# Allegro board HB1A-AAFM.brd (continued)
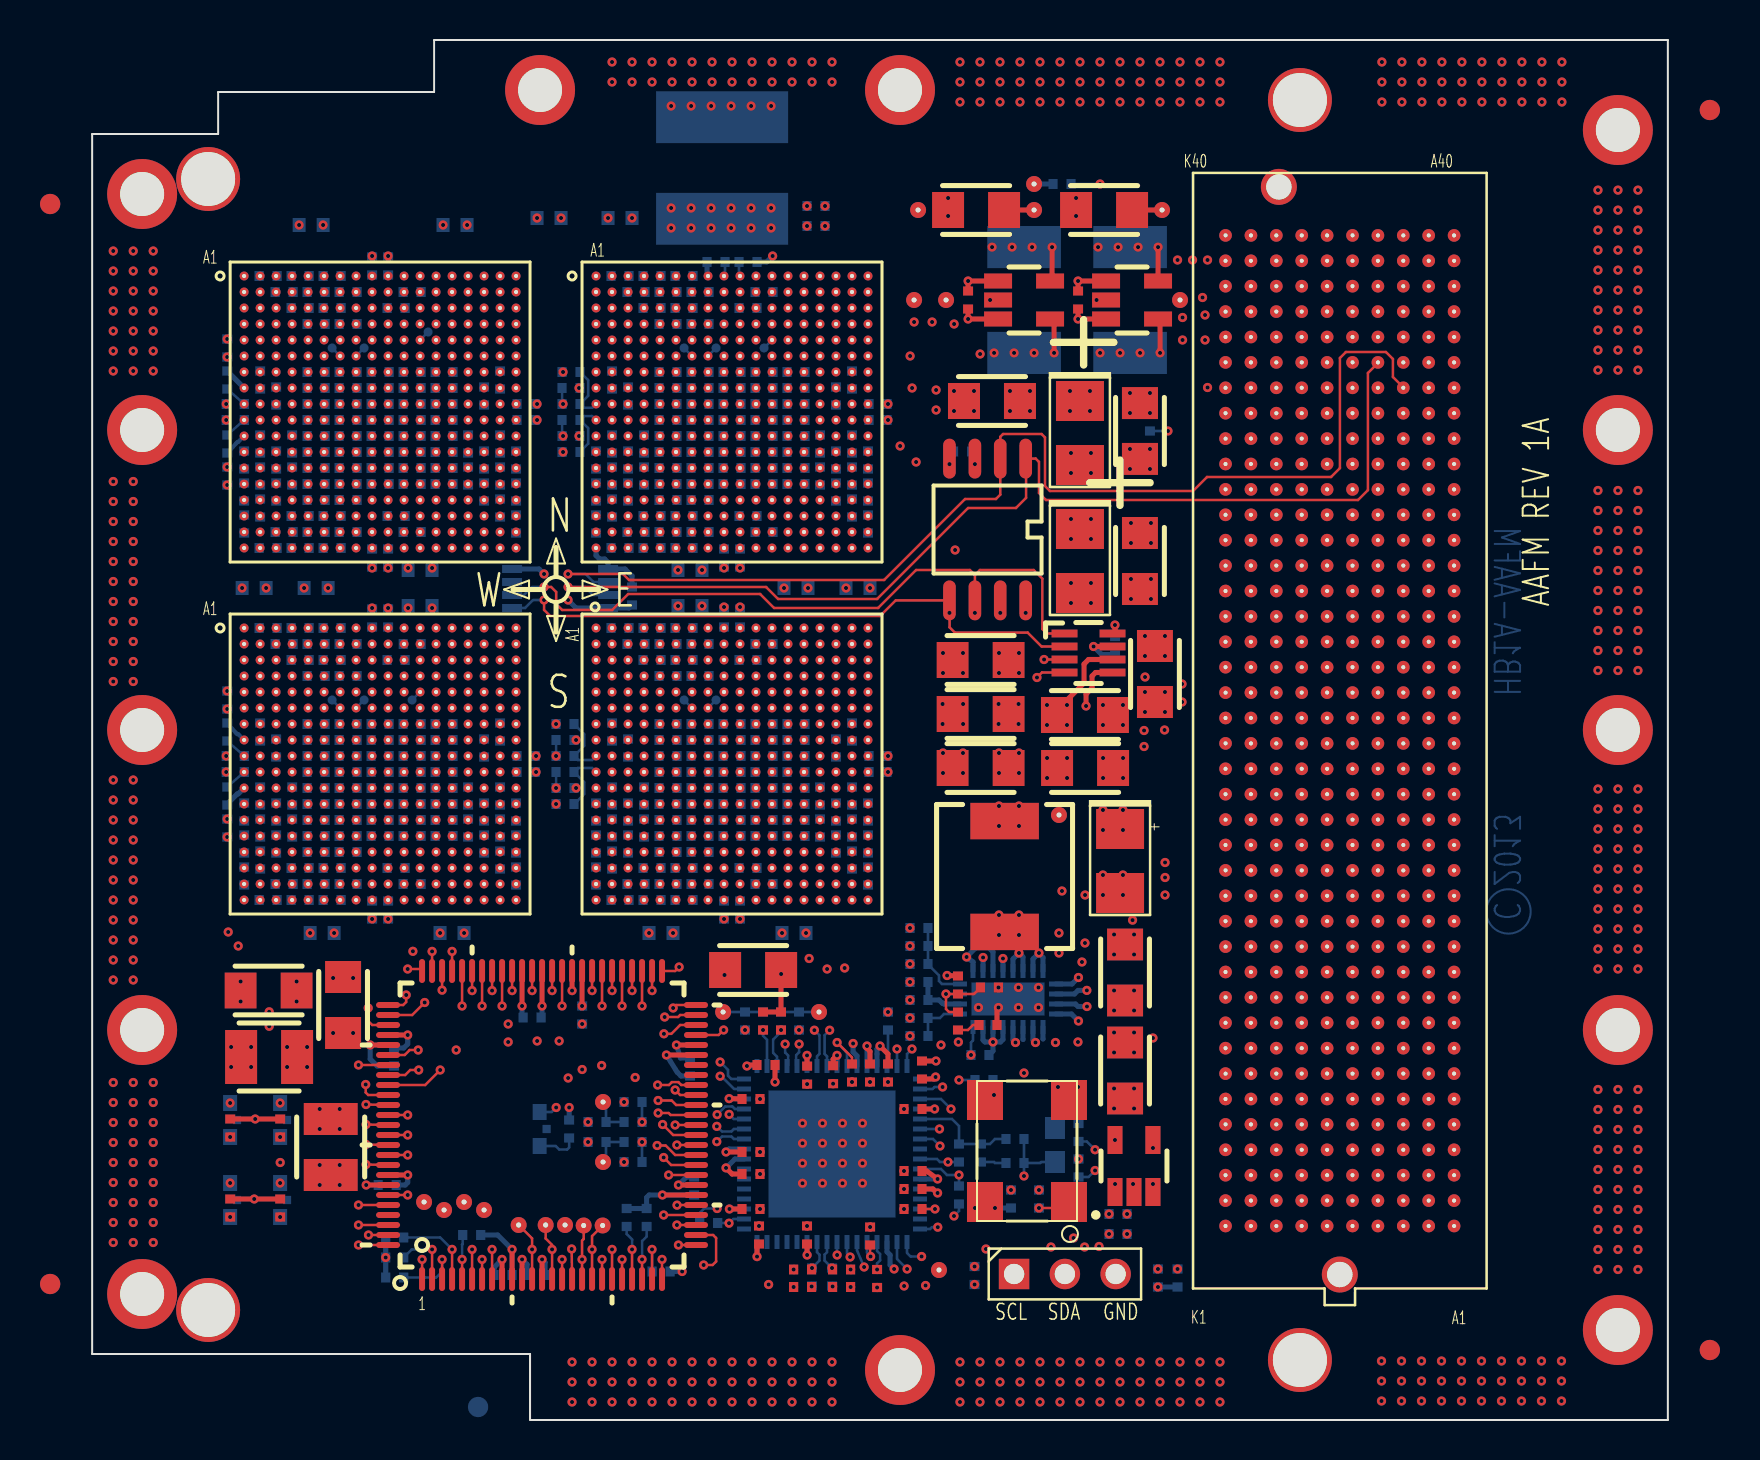
[diagram p0: board, top side]
## Routing (per net, layer and track width the routed paths; a pad name or vN(x,y) marks a point on that pad's centre or on a via; arc(x,y) is an arc through that point) (continued)
66.45,36.76 ; U3.L14 18.32,49.52 ; U3.L14 17.67,49.52 ; U3.L14 18.32,48.88 ; U3.L14 17.67,48.88 ; U3.L6 11.92,48.88 ; U3.L6 11.27,48.88 ; U3.L6 11.27,49.52 ; U3.L6 11.92,49.52 ; 58.83,24.06 P1.H12 ; P1.H12 58.83,23.28 ; P1.H12 59.61,24.06 ; P1.H12 59.61,23.28 ; P1.K2 57.07,11.36 ; P1.K2 56.29,11.36 ; P1.K2 57.07,10.58 ; P1.K2 56.29,10.58 ; 13.67,29.52 U7.P9 ; U7.P9 14.32,28.88 ; U7.P9 13.67,28.88 ; U7.P9 14.32,29.52 ; 34.47,46.48 U4.P13 ; U4.P13 35.12,47.12 ; U4.P13 34.47,47.12 ; U4.P13 35.12,46.48 ; P1.G23 60.88,37.25 ; P1.G23 60.1,38.03 ; P1.G23 60.1,37.25 ; P1.G23 60.88,38.03 ; U4.G14 35.92,52.08 ; U4.G14 35.92,52.73 ; U4.G14 35.27,52.08 ; U4.G14 35.27,52.73 ; P1.C29 65.96,44.87 ; P1.C29 65.96,45.65 ; P1.C29 65.18,45.65 ; P1.C29 65.18,44.87 ; 58.83,30.9 P1.H18 ; P1.H18 58.83,31.68 ; P1.H18 59.61,30.9 ; P1.H18 59.61,31.68 ; P1.B35 67.23,52.49 ; P1.B35 66.45,52.49 ; P1.B35 67.23,53.27 ; P1.B35 66.45,53.27 ; U4.V8 31.12,43.92 ; U4.V8 31.12,43.27 ; U4.V8 30.47,43.27 ; U4.V8 30.47,43.92 ; U7.F14 18.32,35.27 ; U7.F14 17.67,35.92 ; U7.F14 17.67,35.27 ; U7.F14 18.32,35.92 ; 31.27,33.67 U8.H9 ; U8.H9 31.92,33.67 ; U8.H9 31.92,34.33 ; U8.H9 31.27,34.33 ; P1.G8 60.88,18.98 ; P1.G8 60.1,18.2 ; P1.G8 60.1,18.98 ; P1.G8 60.88,18.2 ; P1.C25 65.96,39.79 ; P1.C25 65.96,40.57 ; P1.C25 65.18,40.57 ; P1.C25 65.18,39.79 ; U8.L10 32.72,31.27 ; U8.L10 32.08,31.93 ; U8.L10 32.72,31.93 ; U8.L10 32.08,31.27 ; 61.37,58.35 P1.F39 ; P1.F39 62.15,57.57 ; P1.F39 62.15,58.35 ; P1.F39 61.37,57.57 ; U8.J8 31.12,32.88 ; U8.J8 31.12,33.52 ; U8.J8 30.47,32.88 ; U8.J8 30.47,33.52 ; P1.C17 65.96,29.63 ; P1.C17 65.18,29.63 ; P1.C17 65.96,30.41 ; P1.C17 65.18,30.41 ; U8.B2 26.32,39.12 ; U8.B2 26.32,38.48 ; U8.B2 25.67,38.48 ; U8.B2 25.67,39.12 ; U3.A1 7.92,56.88 ; U3.A1 7.27,56.88 ; U3.A1 7.27,57.52 ; U3.A1 7.92,57.52 ; U4.N6 29.52,47.27 ; U4.N6 29.52,47.92 ; U4.N6 28.88,47.27 ; U4.N6 28.88,47.92 ; 10.48,34.33 U7.H5 ; U7.H5 11.12,33.67 ; U7.H5 11.12,34.33 ; U7.H5 10.48,33.67 ; 12.07,51.27 U3.H7 ; U3.H7 12.07,51.92 ; U3.H7 12.73,51.27 ; U3.H7 12.73,51.92 ; P1.E1 63.42,10.09 ; P1.E1 62.64,10.09 ; P1.E1 63.42,9.31 ; P1.E1 62.64,9.31 ; 10.48,48.08 U3.M5 ; U3.M5 10.48,48.73 ; U3.M5 11.12,48.73 ; U3.M5 11.12,48.08 ; P1.G5 60.88,14.39 ; P1.G5 60.1,15.17 ; P1.G5 60.88,15.17 ; P1.G5 60.1,14.39 ; 38.47,31.27 U8.L18 ; U8.L18 39.12,31.27 ; U8.L18 38.47,31.93 ; U8.L18 39.12,31.93 ; P1.F21 62.15,35.49 ; P1.F21 61.37,34.71 ; P1.F21 61.37,35.49 ; P1.F21 62.15,34.71 ; 24.88,56.88 U4.A1 ; U4.A1 25.52,57.52 ; U4.A1 25.52,56.88 ; U4.A1 24.88,57.52 ; U7.J10 15.12,32.88 ; U7.J10 14.48,33.52 ; U7.J10 14.48,32.88 ; U7.J10 15.12,33.52 ; U7.E14 18.32,36.73 ; U7.E14 17.67,36.08 ; U7.E14 17.67,36.73 ; U7.E14 18.32,36.08 ; U3.P13 17.52,47.12 ; U3.P13 17.52,46.48 ; U3.P13 16.88,46.48 ; U3.P13 16.88,47.12 ; P1.B31 67.23,47.41 ; P1.B31 66.45,48.19 ; P1.B31 66.45,47.41 ; P1.B31 67.23,48.19 ; 20.88,48.88 U3.L18 ; U3.L18 21.52,48.88 ; U3.L18 20.88,49.52 ; U3.L18 21.52,49.52 ; 57.56,52.49 P1.J35 ; P1.J35 57.56,53.27 ; P1.J35 58.34,52.49 ; P1.J35 58.34,53.27 ; U8.G14 35.92,34.48 ; U8.G14 35.27,34.48 ; U8.G14 35.27,35.12 ; U8.G14 35.92,35.12 ; 32.08,50.48 U4.J10 ; U4.J10 32.72,50.48 ; U4.J10 32.08,51.12 ; U4.J10 32.72,51.12 ; U3.V11 15.92,43.27 ; U3.V11 15.92,43.92 ; U3.V11 15.27,43.27 ; U3.V11 15.27,43.92 ; U8.G8 31.12,34.48 ; U8.G8 31.12,35.12 ; U8.G8 30.47,35.12 ; U8.G8 30.47,34.48 ; 66.45,32.17 P1.B19 ; P1.B19 67.23,32.17 ; P1.B19 66.45,32.95 ; P1.B19 67.23,32.95 ; 10.48,49.67 U3.K5 ; U3.K5 11.12,50.33 ; U3.K5 10.48,50.33 ; U3.K5 11.12,49.67 ; P1.G32 60.88,49.46 ; P1.G32 60.88,48.68 ; P1.G32 60.1,48.68 ; P1.G32 60.1,49.46 ; P1.D3 64.69,11.85 ; P1.D3 63.91,11.85 ; P1.D3 63.91,12.63 ; P1.D3 64.69,12.63 ; 20.07,44.08 U3.U17 ; U3.U17 20.07,44.73 ; U3.U17 20.73,44.73 ; U3.U17 20.73,44.08 ; 56.29,57.57 P1.K39 ; P1.K39 57.07,57.57 ; P1.K39 56.29,58.35 ; P1.K39 57.07,58.35 ; P1.H6 59.61,15.66 ; P1.H6 59.61,16.44 ; P1.H6 58.83,16.44 ; P1.H6 58.83,15.66 ; U8.A8 31.12,39.92 ; U8.A8 30.47,39.92 ; U8.A8 30.47,39.27 ; U8.A8 31.12,39.27 ; 28.07,35.92 U8.F5 ; U8.F5 28.07,35.27 ; U8.F5 28.72,35.27 ; U8.F5 28.72,35.92 ; 67.72,13.9 P1.A4 ; P1.A4 68.5,13.9 ; P1.A4 68.5,13.12 ; P1.A4 67.72,13.12 ; 28.07,47.12 U4.P5 ; U4.P5 28.72,47.12 ; U4.P5 28.72,46.48 ; U4.P5 28.07,46.48 ; 19.27,38.33 U7.C16 ; U7.C16 19.92,37.67 ; U7.C16 19.92,38.33 ; U7.C16 19.27,37.67 ; P1.F30 62.15,46.92 ; P1.F30 61.37,46.14 ; P1.F30 62.15,46.14 ; P1.F30 61.37,46.92 ; 67.72,50.73 P1.A33 ; P1.A33 68.5,49.95 ; P1.A33 67.72,49.95 ; P1.A33 68.5,50.73 ; P1.G29 60.88,44.87 ; P1.G29 60.1,45.65 ; P1.G29 60.1,44.87 ; P1.G29 60.88,45.65 ; 57.56,33.44 P1.J20 ; P1.J20 58.34,33.44 ; P1.J20 58.34,34.22 ; P1.J20 57.56,34.22 ; P1.J32 58.34,48.68 ; P1.J32 57.56,49.46 ; P1.J32 57.56,48.68 ; P1.J32 58.34,49.46 ; P1.A28 68.5,44.38 ; P1.A28 67.72,44.38 ; P1.A28 67.72,43.6 ; P1.A28 68.5,43.6 ; U3.N10 15.12,47.27 ; U3.N10 14.48,47.92 ; U3.N10 15.12,47.92 ; U3.N10 14.48,47.27 ; 57.56,15.17 P1.J5 ; P1.J5 57.56,14.39 ; P1.J5 58.34,14.39 ; P1.J5 58.34,15.17 ; 65.18,18.2 P1.C8 ; P1.C8 65.96,18.98 ; P1.C8 65.96,18.2 ; P1.C8 65.18,18.98 ; 14.48,49.52 U3.L10 ; U3.L10 15.12,49.52 ; U3.L10 14.48,48.88 ; U3.L10 15.12,48.88 ; 33.67,31.27 U8.L12 ; U8.L12 33.67,31.93 ; U8.L12 34.33,31.27 ; U8.L12 34.33,31.93 ; 67.72,58.84 P1.A40 ; P1.A40 68.5,59.62 ; P1.A40 67.72,59.62 ; P1.A40 68.5,58.84 ; 58.83,38.52 P1.H24 ; P1.H24 59.61,38.52 ; P1.H24 58.83,39.3 ; P1.H24 59.61,39.3 ; U7.H1 7.92,34.33 ; U7.H1 7.27,33.67 ; U7.H1 7.92,33.67 ; U7.H1 7.27,34.33 ; 12.88,34.48 U7.G8 ; U7.G8 13.52,35.12 ; U7.G8 12.88,35.12 ; U7.G8 13.52,34.48 ; U7.F6 11.92,35.27 ; U7.F6 11.27,35.92 ; U7.F6 11.27,35.27 ; U7.F6 11.92,35.92 ; 32.08,49.52 U4.L10 ; U4.L10 32.08,48.88 ; U4.L10 32.72,49.52 ; U4.L10 32.72,48.88 ; P1.A32 68.5,48.68 ; P1.A32 68.5,49.46 ; P1.A32 67.72,48.68 ; P1.A32 67.72,49.46 ; 67.72,44.87 P1.A29 ; P1.A29 67.72,45.65 ; P1.A29 68.5,44.87 ; P1.A29 68.5,45.65 ; 62.64,52.49 P1.E35 ; P1.E35 62.64,53.27 ; P1.E35 63.42,53.27 ; P1.E35 63.42,52.49 ; 32.88,30.48 U8.M11 ; U8.M11 32.88,31.12 ; U8.M11 33.52,31.12 ; U8.M11 33.52,30.48 ; U4.H11 33.52,51.92 ; U4.H11 32.88,51.92 ; U4.H11 33.52,51.27 ; U4.H11 32.88,51.27 ; 11.27,54.33 U3.E6 ; U3.E6 11.27,53.67 ; U3.E6 11.92,53.67 ; U3.E6 11.92,54.33 ; P1.J1 58.34,9.31 ; P1.J1 58.34,10.09 ; P1.J1 57.56,10.09 ; P1.J1 57.56,9.31 ; U3.B17 20.73,56.08 ; U3.B17 20.73,56.73 ; U3.B17 20.07,56.08 ; U3.B17 20.07,56.73 ; U7.K5 11.12,32.73 ; U7.K5 10.48,32.73 ; U7.K5 10.48,32.08 ; U7.K5 11.12,32.08 ; 24.88,39.27 U8.A1 ; U8.A1 25.52,39.92 ; U8.A1 24.88,39.92 ; U8.A1 25.52,39.27 ; U8.N10 32.72,29.68 ; U8.N10 32.08,29.68 ; U8.N10 32.72,30.32 ; U8.N10 32.08,30.32 ; U7.K13 17.52,32.08 ; U7.K13 16.88,32.08 ; U7.K13 16.88,32.73 ; U7.K13 17.52,32.73 ; 35.27,50.48 U4.J14 ; U4.J14 35.92,50.48 ; U4.J14 35.92,51.12 ; U4.J14 35.27,51.12 ; U8.H11 33.52,34.33 ; U8.H11 32.88,33.67 ; U8.H11 33.52,33.67 ; U8.H11 32.88,34.33 ; 30.47,56.88 U4.A8 ; U4.A8 31.12,56.88 ; U4.A8 30.47,57.52 ; U4.A8 31.12,57.52 ; 30.47,25.68 U8.V8 ; U8.V8 30.47,26.32 ; U8.V8 31.12,26.32 ; U8.V8 31.12,25.68 ; P1.F9 62.15,19.47 ; P1.F9 62.15,20.25 ; P1.F9 61.37,20.25 ; P1.F9 61.37,19.47 ; U7.M5 11.12,30.48 ; U7.M5 10.48,31.12 ; U7.M5 11.12,31.12 ; U7.M5 10.48,30.48 ; 67.72,55.81 P1.A37 ; P1.A37 68.5,55.81 ; P1.A37 68.5,55.03 ; P1.A37 67.72,55.03 ; 61.37,39.3 P1.F24 ; P1.F24 62.15,38.52 ; P1.F24 62.15,39.3 ; P1.F24 61.37,38.52 ; 67.72,18.98 P1.A8 ; P1.A8 67.72,18.2 ; P1.A8 68.5,18.98 ; P1.A8 68.5,18.2 ; 13.67,31.12 U7.M9 ; U7.M9 13.67,30.48 ; U7.M9 14.32,31.12 ; U7.M9 14.32,30.48 ; 16.88,48.08 U3.M13 ; U3.M13 16.88,48.73 ; U3.M13 17.52,48.08 ; U3.M13 17.52,48.73 ; 66.45,57.08 P1.B38 ; P1.B38 66.45,56.3 ; P1.B38 67.23,57.08 ; P1.B38 67.23,56.3 ; 31.27,29.52 U8.P9 ; U8.P9 31.92,28.88 ; U8.P9 31.92,29.52 ; U8.P9 31.27,28.88 ; 65.18,28.36 P1.C16 ; P1.C16 65.96,28.36 ; P1.C16 65.96,29.14 ; P1.C16 65.18,29.14 ; P1.B26 67.23,41.06 ; P1.B26 67.23,41.84 ; P1.B26 66.45,41.84 ; P1.B26 66.45,41.06 ; U4.M9 31.92,48.73 ; U4.M9 31.27,48.73 ; U4.M9 31.92,48.08 ; U4.M9 31.27,48.08 ; U8.A11 33.52,39.27 ; U8.A11 33.52,39.92 ; U8.A11 32.88,39.92 ; U8.A11 32.88,39.27 ; P1.K18 57.07,31.68 ; P1.K18 56.29,31.68 ; P1.K18 56.29,30.9 ; P1.K18 57.07,30.9 ; U4.K5 28.72,50.33 ; U4.K5 28.07,50.33 ; U4.K5 28.07,49.67 ; U4.K5 28.72,49.67 ; 18.48,36.88 U7.D15 ; U7.D15 18.48,37.52 ; U7.D15 19.12,37.52 ; U7.D15 19.12,36.88 ; 29.67,51.27 U4.H7 ; U4.H7 30.32,51.27 ; U4.H7 29.67,51.92 ; U4.H7 30.32,51.92 ; 12.07,48.08 U3.M7 ; U3.M7 12.07,48.73 ; U3.M7 12.73,48.73 ; U3.M7 12.73,48.08 ; 27.27,46.33 U4.R4 ; U4.R4 27.27,45.67 ; U4.R4 27.92,46.33 ; U4.R4 27.92,45.67 ; 24.88,25.68 U8.V1 ; U8.V1 25.52,25.68 ; U8.V1 25.52,26.32 ; U8.V1 24.88,26.32 ; 62.64,44.87 P1.E29 ; P1.E29 63.42,45.65 ; P1.E29 63.42,44.87 ; P1.E29 62.64,45.65 ; 38.47,48.88 U4.L18 ; U4.L18 39.12,49.52 ; U4.L18 39.12,48.88 ; U4.L18 38.47,49.52 ; U7.U17 20.73,26.48 ; U7.U17 20.73,27.12 ; U7.U17 20.07,27.12 ; U7.U17 20.07,26.48 ; 11.27,36.73 U7.E6 ; U7.E6 11.27,36.08 ; U7.E6 11.92,36.73 ; U7.E6 11.92,36.08 ; U3.E5 11.12,53.67 ; U3.E5 11.12,54.33 ; U3.E5 10.48,54.33 ; U3.E5 10.48,53.67 ; 12.07,29.52 U7.P7 ; U7.P7 12.07,28.88 ; U7.P7 12.73,29.52 ; U7.P7 12.73,28.88 ; U3.P11 15.92,46.48 ; U3.P11 15.92,47.12 ; U3.P11 15.27,47.12 ; U3.P11 15.27,46.48 ; P1.C5 65.96,14.39 ; P1.C5 65.96,15.17 ; P1.C5 65.18,15.17 ; P1.C5 65.18,14.39 ; U7.J6 11.92,33.52 ; U7.J6 11.92,32.88 ; U7.J6 11.27,32.88 ; U7.J6 11.27,33.52 ; 65.18,33.44 P1.C20 ; P1.C20 65.96,33.44 ; P1.C20 65.96,34.22 ; P1.C20 65.18,34.22 ; 28.07,48.73 U4.M5 ; U4.M5 28.72,48.73 ; U4.M5 28.07,48.08 ; U4.M5 28.72,48.08 ; 66.45,51.22 P1.B34 ; P1.B34 67.23,52 ; P1.B34 66.45,52 ; P1.B34 67.23,51.22 ; U3.J8 13.52,50.48 ; U3.J8 13.52,51.12 ; U3.J8 12.88,50.48 ; U3.J8 12.88,51.12 ; P1.A20 68.5,33.44 ; P1.A20 67.72,33.44 ; P1.A20 68.5,34.22 ; P1.A20 67.72,34.22 ; U4.R15 36.72,46.33 ; U4.R15 36.72,45.67 ; U4.R15 36.08,46.33 ; U4.R15 36.08,45.67 ; 20.88,39.92 U7.A18 ; U7.A18 21.52,39.92 ; U7.A18 21.52,39.27 ; U7.A18 20.88,39.27 ; U3.J12 16.73,50.48 ; U3.J12 16.07,50.48 ; U3.J12 16.07,51.12 ; U3.J12 16.73,51.12 ; 10.48,51.92 U3.H5 ; U3.H5 11.12,51.27 ; U3.H5 11.12,51.92 ; U3.H5 10.48,51.27 ; 56.29,46.14 P1.K30 ; P1.K30 57.07,46.14 ; P1.K30 57.07,46.92 ; P1.K30 56.29,46.92 ; 16.07,49.52 U3.L12 ; U3.L12 16.73,48.88 ; U3.L12 16.73,49.52 ; U3.L12 16.07,48.88 ; 10.48,35.27 U7.F5 ; U7.F5 11.12,35.92 ; U7.F5 11.12,35.27 ; U7.F5 10.48,35.92 ; 37.67,26.48 U8.U17 ; U8.U17 38.33,27.12 ; U8.U17 37.67,27.12 ; U8.U17 38.33,26.48 ; 32.08,52.73 U4.G10 ; U4.G10 32.72,52.73 ; U4.G10 32.08,52.08 ; U4.G10 32.72,52.08 ; 66.45,31.68 P1.B18 ; P1.B18 67.23,31.68 ; P1.B18 67.23,30.9 ; P1.B18 66.45,30.9 ; P1.J40 58.34,58.84 ; P1.J40 57.56,58.84 ; P1.J40 58.34,59.62 ; P1.J40 57.56,59.62 ; U3.D15 19.12,54.48 ; U3.D15 18.48,55.12 ; U3.D15 18.48,54.48 ; U3.D15 19.12,55.12 ; U7.M11 15.92,31.12 ; U7.M11 15.92,30.48 ; U7.M11 15.27,31.12 ; U7.M11 15.27,30.48 ; 62.64,29.63 P1.E17 ; P1.E17 63.42,29.63 ; P1.E17 63.42,30.41 ; P1.E17 62.64,30.41 ; U8.K11 33.52,32.73 ; U8.K11 32.88,32.08 ; U8.K11 32.88,32.73 ; U8.K11 33.52,32.08 ; U3.G8 13.52,52.73 ; U3.G8 12.88,52.08 ; U3.G8 13.52,52.08 ; U3.G8 12.88,52.73 ; 58.83,10.58 P1.H2 ; P1.H2 58.83,11.36 ; P1.H2 59.61,10.58 ; P1.H2 59.61,11.36 ; P1.B27 67.23,42.33 ; P1.B27 66.45,42.33 ; P1.B27 67.23,43.11 ; P1.B27 66.45,43.11 ; U3.A11 15.92,56.88 ; U3.A11 15.27,57.52 ; U3.A11 15.27,56.88 ; U3.A11 15.92,57.52 ; 37.67,56.08 U4.B17 ; U4.B17 37.67,56.73 ; U4.B17 38.33,56.08 ; U4.B17 38.33,56.73 ; P1.B10 67.23,20.74 ; P1.B10 66.45,20.74 ; P1.B10 67.23,21.52 ; P1.B10 66.45,21.52 ; 63.91,32.95 P1.D19 ; P1.D19 64.69,32.17 ; P1.D19 64.69,32.95 ; P1.D19 63.91,32.17 ; U7.E5 11.12,36.08 ; U7.E5 10.48,36.73 ; U7.E5 10.48,36.08 ; U7.E5 11.12,36.73 ; P1.E8 63.42,18.98 ; P1.E8 63.42,18.2 ; P1.E8 62.64,18.98 ; P1.E8 62.64,18.2 ; 56.29,12.63 P1.K3 ; P1.K3 57.07,11.85 ; P1.K3 57.07,12.63 ; P1.K3 56.29,11.85 ; U4.D4 27.92,55.12 ; U4.D4 27.92,54.48 ; U4.D4 27.27,55.12 ; U4.D4 27.27,54.48 ; P1.J29 58.34,45.65 ; P1.J29 57.56,45.65 ; P1.J29 58.34,44.87 ; P1.J29 57.56,44.87 ; U7.M13 17.52,31.12 ; U7.M13 16.88,30.48 ; U7.M13 16.88,31.12 ; U7.M13 17.52,30.48 ; 26.48,45.52 U4.T3 ; U4.T3 27.12,45.52 ; U4.T3 26.48,44.88 ; U4.T3 27.12,44.88 ; 32.88,29.52 U8.P11 ; U8.P11 33.52,29.52 ; U8.P11 32.88,28.88 ; U8.P11 33.52,28.88 ; P1.A36 68.5,53.76 ; P1.A36 67.72,54.54 ; P1.A36 67.72,53.76 ; P1.A36 68.5,54.54 ; P1.D13 64.69,24.55 ; P1.D13 64.69,25.33 ; P1.D13 63.91,25.33 ; P1.D13 63.91,24.55 ; 32.08,32.88 U8.J10 ; U8.J10 32.08,33.52 ; U8.J10 32.72,32.88 ; U8.J10 32.72,33.52 ; U3.C16 19.92,55.92 ; U3.C16 19.27,55.92 ; U3.C16 19.92,55.27 ; U3.C16 19.27,55.27 ; U7.V1 7.92,25.68 ; U7.V1 7.92,26.32 ; U7.V1 7.27,25.68 ; U7.V1 7.27,26.32 ; U4.H1 25.52,51.92 ; U4.H1 25.52,51.27 ; U4.H1 24.88,51.92 ; U4.H1 24.88,51.27 ; U7.H11 15.92,34.33 ; U7.H11 15.27,34.33 ; U7.H11 15.92,33.67 ; U7.H11 15.27,33.67 ; 36.08,28.73 U8.R15 ; U8.R15 36.72,28.73 ; U8.R15 36.08,28.07 ; U8.R15 36.72,28.07 ; 60.1,41.84 P1.G26 ; P1.G26 60.88,41.84 ; P1.G26 60.1,41.06 ; P1.G26 60.88,41.06 ; P1.A9 68.5,20.25 ; P1.A9 67.72,19.47 ; P1.A9 67.72,20.25 ; P1.A9 68.5,19.47 ; 65.18,53.76 P1.C36 ; P1.C36 65.96,53.76 ; P1.C36 65.96,54.54 ; P1.C36 65.18,54.54 ; 14.48,30.32 U7.N10 ; U7.N10 15.12,30.32 ; U7.N10 15.12,29.68 ; U7.N10 14.48,29.68 ; 26.48,55.27 U4.C3 ; U4.C3 27.12,55.27 ; U4.C3 27.12,55.92 ; U4.C3 26.48,55.92 ; 58.83,43.11 P1.H27 ; P1.H27 59.61,43.11 ; P1.H27 59.61,42.33 ; P1.H27 58.83,42.33 ; P1.H39 59.61,57.57 ; P1.H39 59.61,58.35 ; P1.H39 58.83,57.57 ; P1.H39 58.83,58.35 ; U7.L12 16.73,31.93 ; U7.L12 16.07,31.27 ; U7.L12 16.07,31.93 ; U7.L12 16.73,31.27 ; P1.H36 59.61,53.76 ; P1.H36 58.83,54.54 ; P1.H36 59.61,54.54 ; P1.H36 58.83,53.76 ; 35.27,30.32 U8.N14 ; U8.N14 35.92,30.32 ; U8.N14 35.92,29.68 ; U8.N14 35.27,29.68 ; U3.N8 13.52,47.27 ; U3.N8 12.88,47.92 ; U3.N8 12.88,47.27 ; U3.N8 13.52,47.92 ; 63.91,35.98 P1.D22 ; P1.D22 64.69,35.98 ; P1.D22 64.69,36.76 ; P1.D22 63.91,36.76 ; 16.88,35.92 U7.F13 ; U7.F13 17.52,35.27 ; U7.F13 16.88,35.27 ; U7.F13 17.52,35.92 ; U8.M13 35.12,31.12 ; U8.M13 34.47,30.48 ; U8.M13 34.47,31.12 ; U8.M13 35.12,30.48 ; U3.V1 7.92,43.92 ; U3.V1 7.27,43.27 ; U3.V1 7.27,43.92 ; U3.V1 7.92,43.27 ; 65.18,13.12 P1.C4 ; P1.C4 65.96,13.12 ; P1.C4 65.96,13.9 ; P1.C4 65.18,13.9 ; 60.1,26.6 P1.G14 ; P1.G14 60.1,25.82 ; P1.G14 60.88,25.82 ; P1.G14 60.88,26.6 ; 62.64,38.03 P1.E23 ; P1.E23 62.64,37.25 ; P1.E23 63.42,38.03 ; P1.E23 63.42,37.25 ; U8.C3 27.12,38.33 ; U8.C3 26.48,38.33 ; U8.C3 27.12,37.67 ; U8.C3 26.48,37.67 ; P1.G4 60.88,13.9 ; P1.G4 60.1,13.12 ; P1.G4 60.1,13.9 ; P1.G4 60.88,13.12 ; U8.H5 28.72,34.33 ; U8.H5 28.07,34.33 ; U8.H5 28.72,33.67 ; U8.H5 28.07,33.67 ; U4.J12 34.33,50.48 ; U4.J12 33.67,51.12 ; U4.J12 33.67,50.48 ; U4.J12 34.33,51.12 ; U3.N14 18.32,47.27 ; U3.N14 18.32,47.92 ; U3.N14 17.67,47.27 ; U3.N14 17.67,47.92 ; U8.L8 31.12,31.27 ; U8.L8 31.12,31.93 ; U8.L8 30.47,31.27 ; U8.L8 30.47,31.93 ; 56.29,24.06 P1.K12 ; P1.K12 57.07,24.06 ; P1.K12 56.29,23.28 ; P1.K12 57.07,23.28 ; 20.07,39.12 U7.B17 ; U7.B17 20.73,38.48 ; U7.B17 20.07,38.48 ; U7.B17 20.73,39.12 ; P1.C33 65.96,49.95 ; P1.C33 65.18,49.95 ; P1.C33 65.96,50.73 ; P1.C33 65.18,50.73 ; U4.F6 29.52,53.52 ; U4.F6 28.88,52.88 ; U4.F6 29.52,52.88 ; U4.F6 28.88,53.52 ; 34.47,29.52 U8.P13 ; U8.P13 35.12,28.88 ; U8.P13 35.12,29.52 ; U8.P13 34.47,28.88 ; 65.18,43.6 P1.C28 ; P1.C28 65.96,43.6 ; P1.C28 65.96,44.38 ; P1.C28 65.18,44.38 ; U8.N12 34.33,29.68 ; U8.N12 33.67,29.68 ; U8.N12 34.33,30.32 ; U8.N12 33.67,30.32 ; U7.P11 15.92,28.88 ; U7.P11 15.27,29.52 ; U7.P11 15.27,28.88 ; U7.P11 15.92,29.52 ; U4.N14 35.92,47.27 ; U4.N14 35.27,47.27 ; U4.N14 35.27,47.92 ; U4.N14 35.92,47.92 ; 35.27,31.93 U8.L14 ; U8.L14 35.27,31.27 ; U8.L14 35.92,31.27 ; U8.L14 35.92,31.93 ; P1.F18 62.15,31.68 ; P1.F18 61.37,31.68 ; P1.F18 61.37,30.9 ; P1.F18 62.15,30.9 ; 38.47,57.52 U4.A18 ; U4.A18 39.12,57.52 ; U4.A18 38.47,56.88 ; U4.A18 39.12,56.88 ; 7.27,31.93 U7.L1 ; U7.L1 7.92,31.27 ; U7.L1 7.27,31.27 ; U7.L1 7.92,31.93 ; U8.T16 37.52,27.93 ; U8.T16 36.88,27.93 ; U8.T16 36.88,27.27 ; U8.T16 37.52,27.27 ; 38.47,51.92 U4.H18 ; U4.H18 39.12,51.92 ; U4.H18 39.12,51.27 ; U4.H18 38.47,51.27 ; 25.67,56.73 U4.B2 ; U4.B2 25.67,56.08 ; U4.B2 26.32,56.73 ; U4.B2 26.32,56.08 ; U4.L12 34.33,49.52 ; U4.L12 33.67,49.52 ; U4.L12 34.33,48.88 ; U4.L12 33.67,48.88 ; 66.45,46.14 P1.B30 ; P1.B30 67.23,46.92 ; P1.B30 66.45,46.92 ; P1.B30 67.23,46.14 ; 63.91,58.35 P1.D39 ; P1.D39 64.69,58.35 ; P1.D39 63.91,57.57 ; P1.D39 64.69,57.57 ; U8.H13 35.12,34.33 ; U8.H13 35.12,33.67 ; U8.H13 34.47,34.33 ; U8.H13 34.47,33.67 ; 32.88,47.12 U4.P11 ; U4.P11 33.52,47.12 ; U4.P11 33.52,46.48 ; U4.P11 32.88,46.48 ; U8.T3 27.12,27.27 ; U8.T3 27.12,27.93 ; U8.T3 26.48,27.27 ; U8.T3 26.48,27.93 ; U8.F14 35.92,35.92 ; U8.F14 35.27,35.92 ; U8.F14 35.92,35.27 ; U8.F14 35.27,35.27